# Altium PCB Shuttler_AFE.PcbDoc (part 1 of 5) (continued)
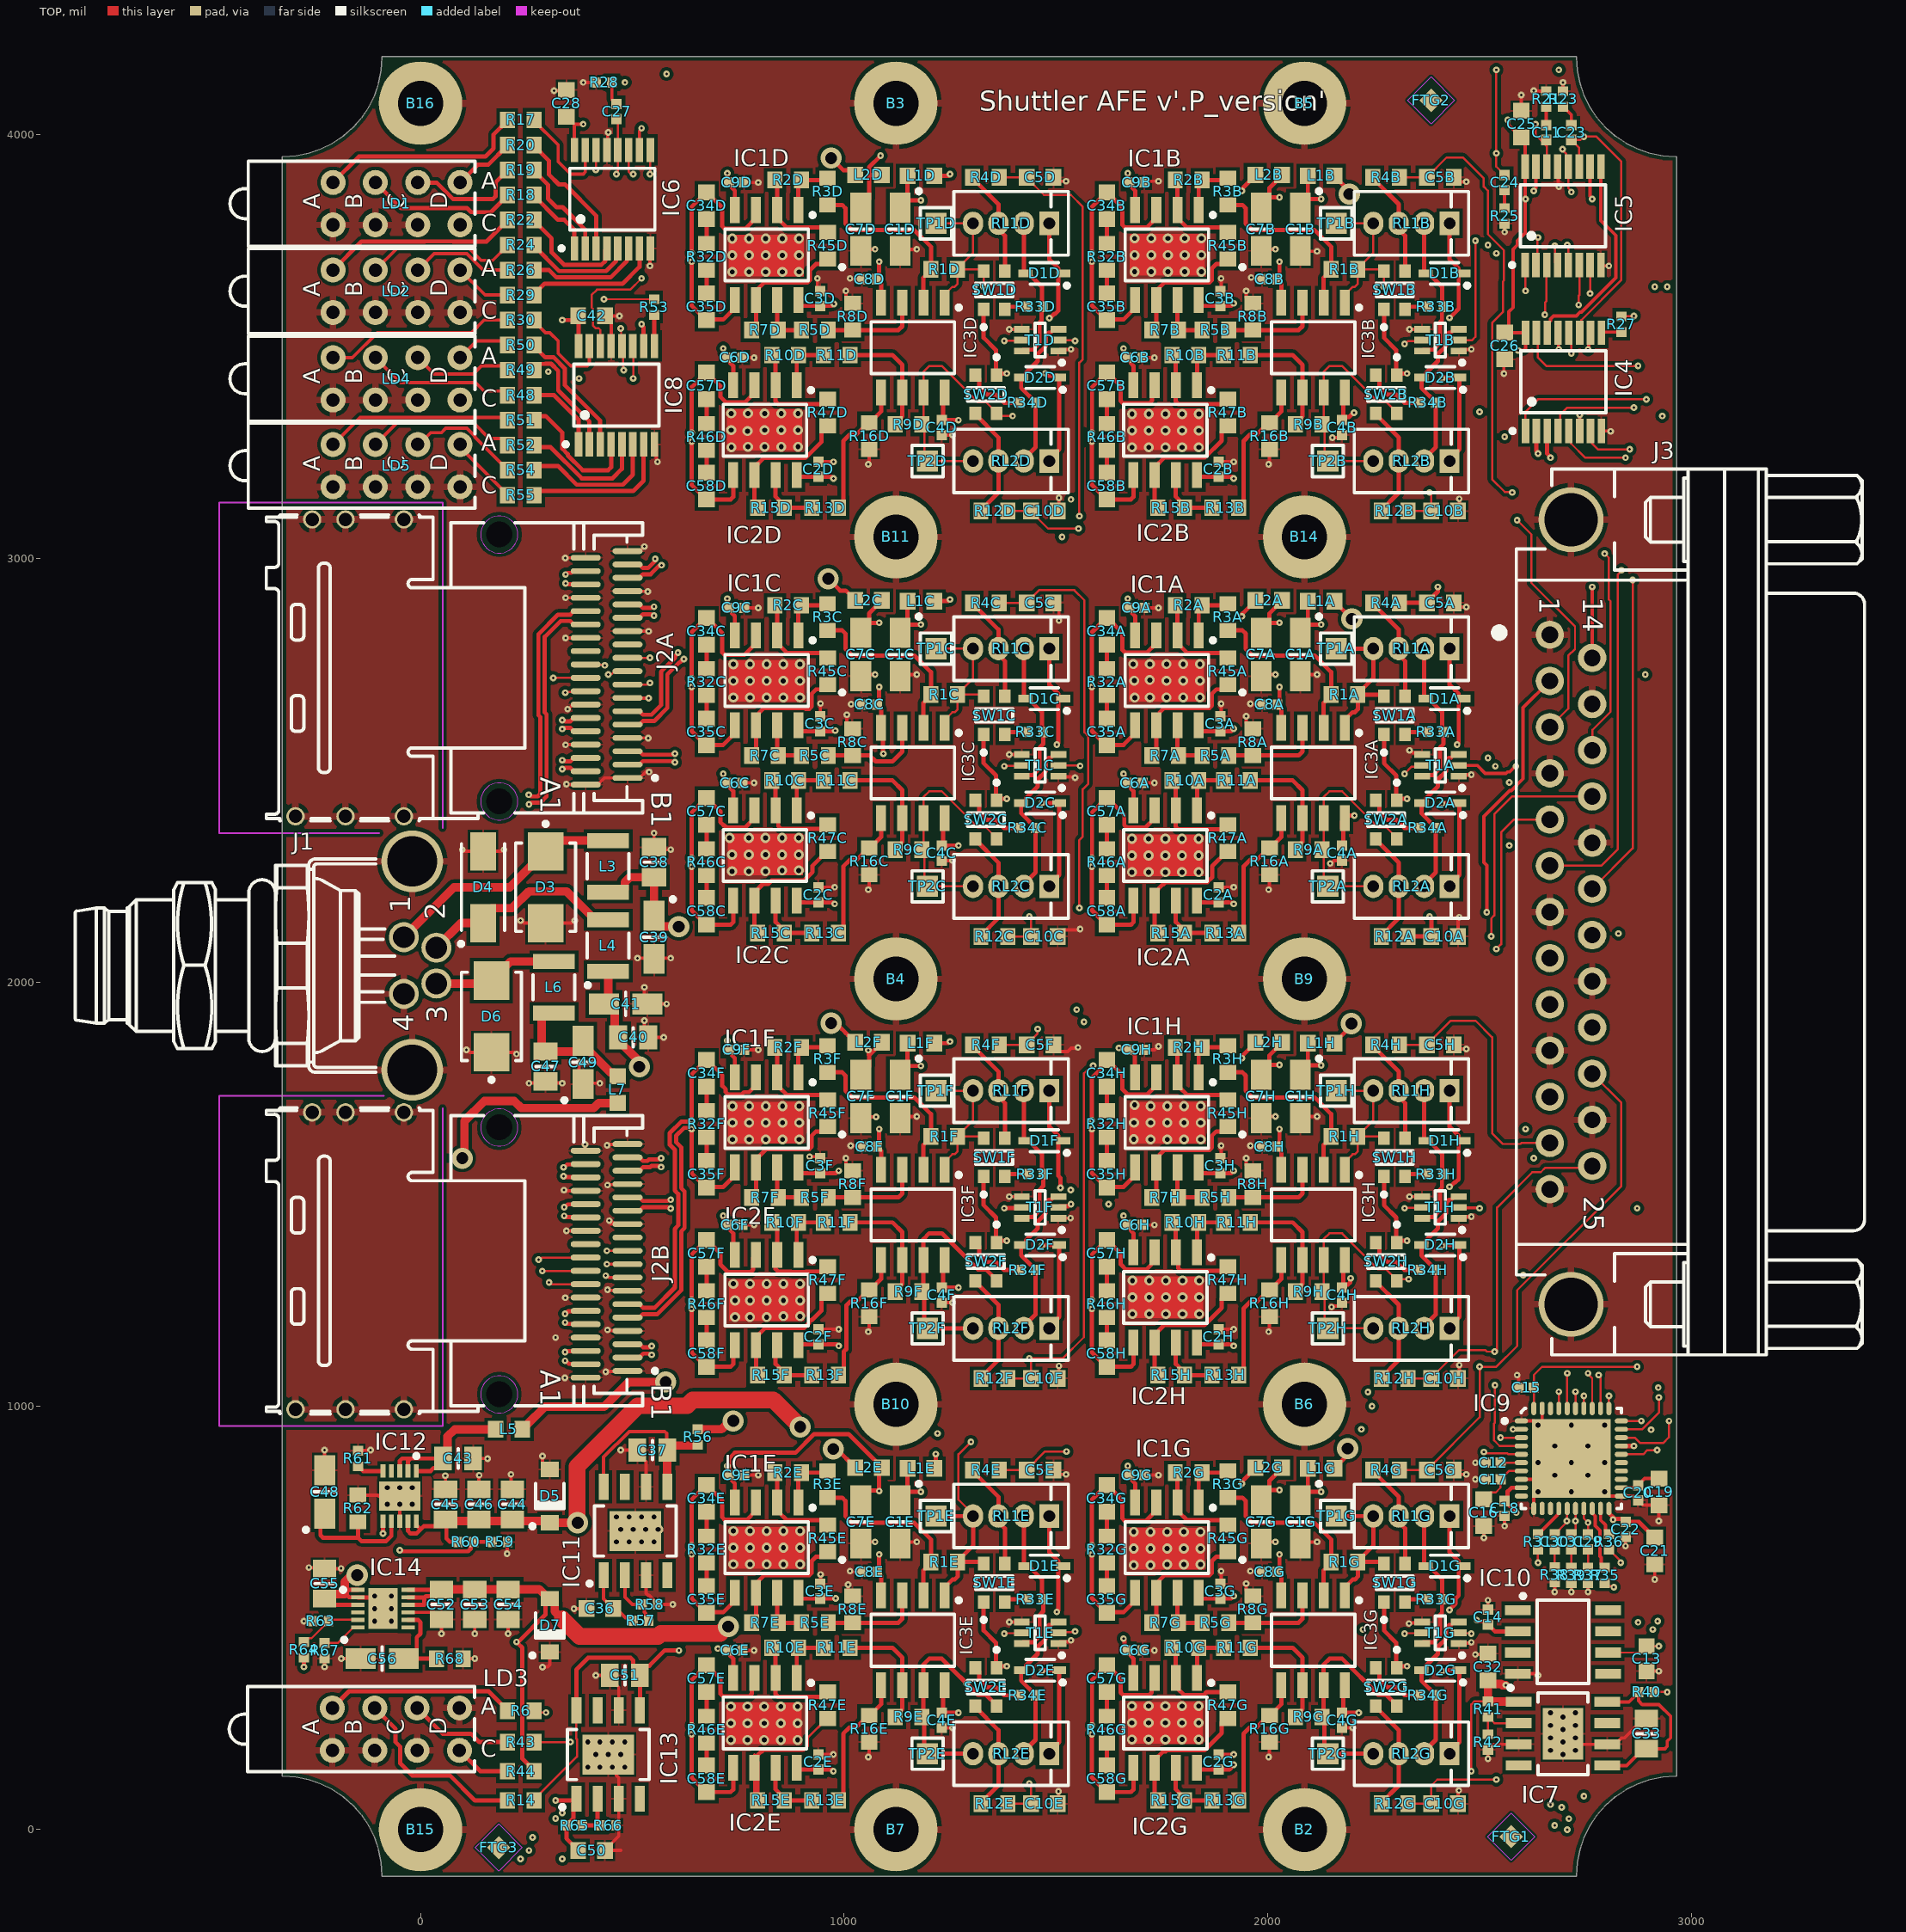
[diagram p0: TOP view]
## Components (designator, comment, footprint, x,y, rotation, side; value= is the part's Value field where it differs from the comment) (continued)
IC2C "LM6172IM/NOPB" SOIC127P600X175-8N 812.99,2299.21 r270 top (schematic designator IC2)
IC2D "LM6172IM/NOPB" SOIC127P600X175-8N 812.99,3303.15 r270 top (schematic designator IC2)
IC2E "LM6172IM/NOPB" SOIC127P600X175-8N 812.99,251.97 r270 top (schematic designator IC2)
IC2F "LM6172IM/NOPB" SOIC127P600X175-8N 816.93,1250 r270 top (schematic designator IC2)
IC2G "LM6172IM/NOPB" SOIC127P600X175-8N 1757.87,251.97 r270 top (schematic designator IC2)
IC2H "LM6172IM/NOPB" SOIC127P600X175-8N 1757.87,1255.91 r270 top (schematic designator IC2)
IC3A "LM6172IM/NOPB" SOIC127P600X175-8N 2106.89,2494.09 r270 top (schematic designator IC3)
IC3B "LM6172IM/NOPB" SOIC127P600X175-8N 2106.89,3498.03 r270 top (schematic designator IC3)
IC3C "LM6172IM/NOPB" SOIC127P600X175-8N 1162.01,2494.09 r270 top (schematic designator IC3)
IC3D "LM6172IM/NOPB" SOIC127P600X175-8N 1162.01,3498.03 r270 top (schematic designator IC3)
IC3E "LM6172IM/NOPB" SOIC127P600X175-8N 1162.01,446.85 r270 top (schematic designator IC3)
IC3F "LM6172IM/NOPB" SOIC127P600X175-8N 1162.01,1450.79 r270 top (schematic designator IC3)
IC3G "LM6172IM/NOPB" SOIC127P600X175-8N 2106.89,446.85 r270 top (schematic designator IC3)
IC3H "LM6172IM/NOPB" SOIC127P600X175-8N 2106.89,1450.79 r270 top (schematic designator IC3)
IC4 "SN74LV595APWT" SOP65P640X120-16N 2697.83,3417.32 r90 top
IC5 "SN74LV595APWT" SOP65P640X120-16N 2696.85,3809.06 r90 top
IC6 "SN74LV595APWT" SOP65P640X120-16N 452.76,3848.43 r90 top
IC7 "ADP7102ARDZ-R7" SOIC127P600X175-9N-R241X309 2696.85,226.38 r0 top
IC8 "SN74LV595APWT" SOP65P640X120-16N 462.6,3385.83 r90 top
IC9 "AD4115BCPZ" QFN50P600X600X100-41N-S470 2716.54,875.98 r0 top
IC10 "ADR4525ARZ" SOIC127P600X175-8N 2696.85,442.91 r0 top
IC11 "ADP7102ARDZ-R7" SOIC127P600X175-9N-R241X309 507.28,704.72 r90 top
IC12 "LT3045EDD#PBF" SON50P300X300X80-11N-R175X248 -49.21,787.4 r270 top
IC13 "ADP7102ARDZ-R7" SOIC127P600X175-9N-R241X309 442.91,177.17 r90 top
IC14 "LT3094EDD#PBF" SON45P300X300X80-13N-R175X248 -88.58,521.65 r0 top
J1 "M8" AMPHENOL_M8AS-04PMMR-SF8001 -19.69,2039.37 r180 top
J2A "iPass™" MOLEX_75783-0107#1 439.17,2742.13 r270 top (schematic designator J2)
J2B "iPass™" MOLEX_75783-0107#2 439.17,1342.52 r270 top (schematic designator J2)
J3 "D-Sub" TYCO_3-1634586-2 2715.75,2165.94 r270 top locked
L1A "120R@100MHz" INDC1608X95N 2125.98,2899.61 r0 top (schematic designator L1)
L1B "120R@100MHz" INDC1608X95N 2125.98,3903.54 r0 top (schematic designator L1)
L1C "120R@100MHz" INDC1608X95N 1181.1,2899.61 r0 top (schematic designator L1)
L1D "120R@100MHz" INDC1608X95N 1181.1,3903.54 r0 top (schematic designator L1)
L1E "120R@100MHz" INDC1608X95N 1181.1,852.36 r0 top (schematic designator L1)
L1F "120R@100MHz" INDC1608X95N 1181.1,1856.3 r0 top (schematic designator L1)
L1G "120R@100MHz" INDC1608X95N 2125.98,852.36 r0 top (schematic designator L1)
L1H "120R@100MHz" INDC1608X95N 2125.98,1856.3 r0 top (schematic designator L1)
L2A "120R@100MHz" INDC1608X95N 2001.97,2901.57 r180 top (schematic designator L2)
L2B "120R@100MHz" INDC1608X95N 2001.97,3905.51 r180 top (schematic designator L2)
L2C "120R@100MHz" INDC1608X95N 1057.09,2901.57 r180 top (schematic designator L2)
L2D "120R@100MHz" INDC1608X95N 1057.09,3905.51 r180 top (schematic designator L2)
L2E "120R@100MHz" INDC1608X95N 1057.09,854.33 r180 top (schematic designator L2)
L2F "120R@100MHz" INDC1608X95N 1057.09,1858.27 r180 top (schematic designator L2)
L2G "120R@100MHz" INDC1608X95N 2001.97,854.33 r180 top (schematic designator L2)
L2H "120R@100MHz" INDC1608X95N 2001.97,1858.27 r180 top (schematic designator L2)
L3 "10uH" IND_MURATA_LQW32FT_0H 442.91,2273.62 r270 top
L4 "10uH" IND_MURATA_LQW32FT_0H 442.91,2086.61 r270 top
L5 "120R@100MHz" INDC1608X95N 208.66,944.88 r180 top
L6 "10uH" IND_MURATA_LQW32FT_0H 314.96,1988.19 r270 top
L7 "120R@100MHz" INDC1608X95N 465.35,1746.43 r270 top
LD1 "Green" LED_BIVAR_H485CGDL -56.69,3837.8 r0 top
LD2 "Green" LED_BIVAR_H485CGDL -56.69,3631.1 r0 top
LD3 "Green" LED_BIVAR_H485CGDL -58.27,237.01 r0 top
LD4 "Green" LED_BIVAR_H485CGDL -56.69,3424.41 r0 top
LD5 "Green" LED_BIVAR_H485CGDL -56.69,3219.29 r0 top
R1A "2k21" RESC1608X55N 2181.1,2679.13 r0 top (schematic designator R1)
R1B "2k21" RESC1608X55N 2181.1,3683.07 r0 top (schematic designator R1)
R1C "2k21" RESC1608X55N 1236.22,2679.13 r0 top (schematic designator R1)
R1D "2k21" RESC1608X55N 1236.22,3683.07 r0 top (schematic designator R1)
R1E "2k21" RESC1608X55N 1236.22,631.89 r0 top (schematic designator R1)
R1F "2k21" RESC1608X55N 1236.22,1635.83 r0 top (schematic designator R1)
R1G "2k21" RESC1608X55N 2181.1,631.89 r0 top (schematic designator R1)
R1H "2k21" RESC1608X55N 2181.1,1635.83 r0 top (schematic designator R1)
R2A "2k21" RESC1608X55N 1812.99,2889.76 r0 top (schematic designator R2)
R2B "2k21" RESC1608X55N 1812.99,3893.7 r0 top (schematic designator R2)
R2C "2k21" RESC1608X55N 868.1,2889.76 r0 top (schematic designator R2)
R2D "2k21" RESC1608X55N 868.1,3893.7 r0 top (schematic designator R2)
R2E "2k21" RESC1608X55N 868.1,842.52 r0 top (schematic designator R2)
R2F "2k21" RESC1608X55N 868.1,1846.46 r0 top (schematic designator R2)
R2G "2k21" RESC1608X55N 1812.99,842.52 r0 top (schematic designator R2)
R2H "2k21" RESC1608X55N 1812.99,1846.46 r0 top (schematic designator R2)
R3A "2k21" RESC1608X55N 1905.51,2862.2 r270 top (schematic designator R3)
R3B "2k21" RESC1608X55N 1905.51,3866.14 r270 top (schematic designator R3)
R3C "2k21" RESC1608X55N 960.63,2862.2 r270 top (schematic designator R3)
R3D "2k21" RESC1608X55N 960.63,3866.14 r270 top (schematic designator R3)
R3E "2k21" RESC1608X55N 960.63,814.96 r270 top (schematic designator R3)
R3F "2k21" RESC1608X55N 960.63,1818.9 r270 top (schematic designator R3)
R3G "2k21" RESC1608X55N 1905.51,814.96 r270 top (schematic designator R3)
R3H "2k21" RESC1608X55N 1905.51,1818.9 r270 top (schematic designator R3)
R4A "47" RESC1608X55N 2279.53,2895.67 r0 top (schematic designator R4)
R4B "47" RESC1608X55N 2279.53,3899.61 r0 top (schematic designator R4)
R4C "47" RESC1608X55N 1334.65,2895.67 r0 top (schematic designator R4)
R4D "47" RESC1608X55N 1334.65,3899.61 r0 top (schematic designator R4)
R4E "47" RESC1608X55N 1334.65,848.43 r0 top (schematic designator R4)
R4F "47" RESC1608X55N 1334.65,1852.36 r0 top (schematic designator R4)
R4G "47" RESC1608X55N 2279.53,848.43 r0 top (schematic designator R4)
R4H "47" RESC1608X55N 2279.53,1852.36 r0 top (schematic designator R4)
R5A "2k21" RESC1608X55N 1875.98,2535.43 r0 top (schematic designator R5)
R5B "2k21" RESC1608X55N 1875.98,3539.37 r0 top (schematic designator R5)
R5C "2k21" RESC1608X55N 931.1,2535.43 r0 top (schematic designator R5)
R5D "2k21" RESC1608X55N 931.1,3539.37 r0 top (schematic designator R5)
R5E "2k21" RESC1608X55N 931.1,488.19 r0 top (schematic designator R5)
R5F "2k21" RESC1608X55N 931.1,1492.13 r0 top (schematic designator R5)
R5G "2k21" RESC1608X55N 1875.98,488.19 r0 top (schematic designator R5)
R5H "2k21" RESC1608X55N 1875.98,1492.13 r0 top (schematic designator R5)
R6 "560" RESC1608X55N 236.22,280.51 r180 top
R7A "2k21" RESC1608X55N 1757.87,2535.43 r0 top (schematic designator R7)
R7B "2k21" RESC1608X55N 1757.87,3539.37 r0 top (schematic designator R7)
R7C "2k21" RESC1608X55N 812.99,2535.43 r0 top (schematic designator R7)
R7D "2k21" RESC1608X55N 812.99,3539.37 r0 top (schematic designator R7)
R7E "2k21" RESC1608X55N 812.99,488.19 r0 top (schematic designator R7)
R7F "2k21" RESC1608X55N 812.99,1492.13 r0 top (schematic designator R7)
R7G "2k21" RESC1608X55N 1757.87,488.19 r0 top (schematic designator R7)
R7H "2k21" RESC1608X55N 1757.87,1492.13 r0 top (schematic designator R7)
R8A "2k21" RESC1608X55N 1964.76,2566.93 r270 top (schematic designator R8)
R8B "2k21" RESC1608X55N 1964.76,3570.87 r270 top (schematic designator R8)
R8C "2k21" RESC1608X55N 1019.87,2566.93 r270 top (schematic designator R8)
R8D "2k21" RESC1608X55N 1019.87,3570.87 r270 top (schematic designator R8)
R8E "2k21" RESC1608X55N 1019.87,519.69 r270 top (schematic designator R8)
R8F "2k21" RESC1608X55N 1019.87,1523.62 r270 top (schematic designator R8)
R8G "2k21" RESC1608X55N 1964.76,519.69 r270 top (schematic designator R8)
R8H "2k21" RESC1608X55N 1964.76,1523.62 r270 top (schematic designator R8)
R9A "2k21" RESC1608X55N 2096.46,2312.99 r0 top (schematic designator R9)
R9B "2k21" RESC1608X55N 2096.46,3316.93 r0 top (schematic designator R9)
R9C "2k21" RESC1608X55N 1151.57,2312.99 r0 top (schematic designator R9)
R9D "2k21" RESC1608X55N 1151.57,3316.93 r0 top (schematic designator R9)
R9E "2k21" RESC1608X55N 1151.57,265.75 r0 top (schematic designator R9)
R9F "2k21" RESC1608X55N 1151.57,1269.69 r0 top (schematic designator R9)
R9G "2k21" RESC1608X55N 2096.46,265.75 r0 top (schematic designator R9)
R9H "2k21" RESC1608X55N 2096.46,1269.69 r0 top (schematic designator R9)
R10A "2k21" RESC1608X55N 1805.11,2476.38 r0 top (schematic designator R10)
R10B "2k21" RESC1608X55N 1805.11,3480.32 r0 top (schematic designator R10)
R10C "2k21" RESC1608X55N 860.23,2476.38 r0 top (schematic designator R10)
R10D "2k21" RESC1608X55N 860.23,3480.32 r0 top (schematic designator R10)
R10E "2k21" RESC1608X55N 860.23,429.13 r0 top (schematic designator R10)
R10F "2k21" RESC1608X55N 860.23,1433.07 r0 top (schematic designator R10)
R10G "2k21" RESC1608X55N 1805.11,429.13 r0 top (schematic designator R10)
R10H "2k21" RESC1608X55N 1805.11,1433.07 r0 top (schematic designator R10)
R11A "2k21" RESC1608X55N 1927.16,2476.38 r0 top (schematic designator R11)
R11B "2k21" RESC1608X55N 1927.16,3480.32 r0 top (schematic designator R11)
R11C "2k21" RESC1608X55N 982.28,2476.38 r0 top (schematic designator R11)
R11D "2k21" RESC1608X55N 982.28,3480.32 r0 top (schematic designator R11)
R11E "2k21" RESC1608X55N 982.28,429.13 r0 top (schematic designator R11)
R11F "2k21" RESC1608X55N 982.28,1433.07 r0 top (schematic designator R11)
R11G "2k21" RESC1608X55N 1927.16,429.13 r0 top (schematic designator R11)
R11H "2k21" RESC1608X55N 1927.16,1433.07 r0 top (schematic designator R11)
R12A "47" RESC1608X55N 2299.21,2108.27 r0 top (schematic designator R12)
R12B "47" RESC1608X55N 2299.21,3112.2 r0 top (schematic designator R12)
R12C "47" RESC1608X55N 1354.33,2108.27 r0 top (schematic designator R12)
R12D "47" RESC1608X55N 1354.33,3112.2 r0 top (schematic designator R12)
R12E "47" RESC1608X55N 1354.33,61.02 r0 top (schematic designator R12)
R12F "47" RESC1608X55N 1354.33,1064.96 r0 top (schematic designator R12)
R12G "47" RESC1608X55N 2299.21,61.02 r0 top (schematic designator R12)
R12H "47" RESC1608X55N 2299.21,1064.96 r0 top (schematic designator R12)
R13A "2k21" RESC1608X55N 1899.61,2116.14 r0 top (schematic designator R13)
R13B "2k21" RESC1608X55N 1899.61,3120.08 r0 top (schematic designator R13)
R13C "2k21" RESC1608X55N 954.72,2116.14 r0 top (schematic designator R13)
R13D "2k21" RESC1608X55N 954.72,3120.08 r0 top (schematic designator R13)
R13E "2k21" RESC1608X55N 954.72,68.9 r0 top (schematic designator R13)
R13F "2k21" RESC1608X55N 954.72,1072.83 r0 top (schematic designator R13)
R13G "2k21" RESC1608X55N 1899.61,68.9 r0 top (schematic designator R13)
R13H "2k21" RESC1608X55N 1899.61,1072.83 r0 top (schematic designator R13)
R14 "1k5" RESC1608X55N 236.22,68.9 r180 top
R15A "2k21" RESC1608X55N 1771.65,2116.14 r0 top (schematic designator R15)
R15B "2k21" RESC1608X55N 1771.65,3120.08 r0 top (schematic designator R15)
R15C "2k21" RESC1608X55N 826.77,2116.14 r0 top (schematic designator R15)
R15D "2k21" RESC1608X55N 826.77,3120.08 r0 top (schematic designator R15)
R15E "2k21" RESC1608X55N 826.77,68.9 r0 top (schematic designator R15)
R15F "2k21" RESC1608X55N 826.77,1072.83 r0 top (schematic designator R15)
R15G "2k21" RESC1608X55N 1771.65,68.9 r0 top (schematic designator R15)
R15H "2k21" RESC1608X55N 1771.65,1072.83 r0 top (schematic designator R15)
R16A "2k21" RESC1608X55N 2003.94,2285.43 r90 top (schematic designator R16)
R16B "2k21" RESC1608X55N 2003.94,3289.37 r90 top (schematic designator R16)
R16C "2k21" RESC1608X55N 1059.06,2285.43 r90 top (schematic designator R16)
R16D "2k21" RESC1608X55N 1059.06,3289.37 r90 top (schematic designator R16)
R16E "2k21" RESC1608X55N 1059.06,238.19 r90 top (schematic designator R16)
R16F "2k21" RESC1608X55N 1059.06,1242.13 r90 top (schematic designator R16)
R16G "2k21" RESC1608X55N 2003.94,238.19 r90 top (schematic designator R16)
R16H "2k21" RESC1608X55N 2003.94,1242.13 r90 top (schematic designator R16)
R17 "560" RESC1608X55N 236.22,4035.43 r180 top
R18 "560" RESC1608X55N 236.22,3858.27 r180 top
R19 "560" RESC1608X55N 236.22,3917.32 r180 top
R20 "560" RESC1608X55N 236.22,3976.38 r180 top
R21 "49R9" RESC1005X40N 2657.48,4084.65 r270 top
R22 "560" RESC1608X55N 236.22,3799.21 r180 top
R23 "49R9" RESC1005X40N 2696.85,4084.65 r270 top
R24 "560" RESC1608X55N 236.22,3740.16 r180 top
R25 "49R9" RESC1005X40N 2559.06,3809.06 r90 top
R26 "560" RESC1608X55N 236.22,3681.1 r180 top
R27 "49R9" RESC1005X40N 2834.65,3553.15 r270 top
R28 "49R9" RESC1005X40N 433.07,4124.02 r0 top
R29 "560" RESC1608X55N 236.22,3622.05 r180 top
R30 "560" RESC1608X55N 236.22,3562.99 r180 top
R31 "49R9" RESC1005X40N 2637.8,679.13 r270 top
R32A "100" RESC1608X55N 1620.08,2708.66 r90 top (schematic designator R32)
R32B "100" RESC1608X55N 1620.08,3712.6 r90 top (schematic designator R32)
R32C "100" RESC1608X55N 675.2,2708.66 r90 top (schematic designator R32)
R32D "100" RESC1608X55N 675.2,3712.6 r90 top (schematic designator R32)
R32E "100" RESC1608X55N 675.2,661.42 r90 top (schematic designator R32)
R32F "100" RESC1608X55N 675.2,1665.35 r90 top (schematic designator R32)
R32G "100" RESC1608X55N 1620.08,661.42 r90 top (schematic designator R32)
R32H "100" RESC1608X55N 1620.08,1665.35 r90 top (schematic designator R32)
R33A "3k3" RESC1005X40N 2396.46,2590.55 r180 top (schematic designator R33)
R33B "3k3" RESC1005X40N 2396.46,3594.49 r180 top (schematic designator R33)
R33C "3k3" RESC1005X40N 1451.57,2590.55 r180 top (schematic designator R33)
R33D "3k3" RESC1005X40N 1451.57,3594.49 r180 top (schematic designator R33)
R33E "3k3" RESC1005X40N 1451.57,543.31 r180 top (schematic designator R33)
R33F "3k3" RESC1005X40N 1451.57,1547.24 r180 top (schematic designator R33)
R33G "3k3" RESC1005X40N 2396.46,543.31 r180 top (schematic designator R33)
R33H "3k3" RESC1005X40N 2396.46,1547.24 r180 top (schematic designator R33)
R34A "3k3" RESC1005X40N 2377.95,2364.17 r180 top (schematic designator R34)
R34B "3k3" RESC1005X40N 2377.95,3368.11 r180 top (schematic designator R34)
R34C "3k3" RESC1005X40N 1433.07,2364.17 r180 top (schematic designator R34)
R34D "3k3" RESC1005X40N 1433.07,3368.11 r180 top (schematic designator R34)
R34E "3k3" RESC1005X40N 1433.07,316.93 r180 top (schematic designator R34)
R34F "3k3" RESC1005X40N 1433.07,1320.87 r180 top (schematic designator R34)
R34G "3k3" RESC1005X40N 2377.95,316.93 r180 top (schematic designator R34)
R34H "3k3" RESC1005X40N 2377.95,1320.87 r180 top (schematic designator R34)
R35 "49R9" RESC1005X40N 2795.28,600.39 r270 top
R36 "49R9" RESC1005X40N 2805.12,679.13 r270 top
R37 "49R9" RESC1005X40N 2755.91,600.39 r90 top
R38 "49R9" RESC1005X40N 2677.17,601.57 r90 top
R39 "49R9" RESC1005X40N 2716.54,600.39 r90 top
R40 "33" RESC1005X40N 2893.7,324.8 r180 top
R41 "51k" RESC1005X40N 2519.69,284.25 r90 top
R42 "30k" RESC1005X40N 2519.69,206.69 r90 top
R43 "5k1" RESC1608X55N 236.22,206.69 r180 top
R44 "5k1" RESC1608X55N 236.22,137.8 r180 top
R45A "4k42" RESC1608X55N 1905.7,2734.25 r90 top (schematic designator R45)
R45B "4k42" RESC1608X55N 1905.7,3738.19 r90 top (schematic designator R45)
R45C "4k42" RESC1608X55N 960.82,2734.25 r90 top (schematic designator R45)
R45D "4k42" RESC1608X55N 960.82,3738.19 r90 top (schematic designator R45)
R45E "4k42" RESC1608X55N 960.82,687.01 r90 top (schematic designator R45)
R45F "4k42" RESC1608X55N 960.82,1690.94 r90 top (schematic designator R45)
R45G "4k42" RESC1608X55N 1905.7,687.01 r90 top (schematic designator R45)
R45H "4k42" RESC1608X55N 1905.7,1690.94 r90 top (schematic designator R45)
R46A "100" RESC1608X55N 1620.08,2283.46 r90 top (schematic designator R46)
R46B "100" RESC1608X55N 1620.08,3287.4 r90 top (schematic designator R46)
R46C "100" RESC1608X55N 675.2,2283.46 r90 top (schematic designator R46)
R46D "100" RESC1608X55N 675.2,3287.4 r90 top (schematic designator R46)
R46E "100" RESC1608X55N 675.2,236.22 r90 top (schematic designator R46)
R46F "100" RESC1608X55N 675.2,1240.16 r90 top (schematic designator R46)
R46G "100" RESC1608X55N 1620.08,236.22 r90 top (schematic designator R46)
R46H "100" RESC1608X55N 1620.08,1240.16 r90 top (schematic designator R46)
R47A "4k42" RESC1608X55N 1905.7,2340.55 r90 top (schematic designator R47)
R47B "4k42" RESC1608X55N 1905.7,3344.49 r90 top (schematic designator R47)
R47C "4k42" RESC1608X55N 960.82,2340.55 r90 top (schematic designator R47)
R47D "4k42" RESC1608X55N 960.82,3344.49 r90 top (schematic designator R47)
R47E "4k42" RESC1608X55N 960.82,293.31 r90 top (schematic designator R47)
R47F "4k42" RESC1608X55N 960.82,1297.24 r90 top (schematic designator R47)
R47G "4k42" RESC1608X55N 1905.7,293.31 r90 top (schematic designator R47)
R47H "4k42" RESC1608X55N 1905.7,1297.24 r90 top (schematic designator R47)
R48 "560" RESC1608X55N 236.22,3385.83 r180 top
R49 "560" RESC1608X55N 236.22,3444.88 r180 top
R50 "560" RESC1608X55N 236.22,3503.94 r180 top
R51 "560" RESC1608X55N 236.22,3326.77 r180 top
R52 "560" RESC1608X55N 236.22,3267.72 r180 top
R53 "49R9" RESC1005X40N 551.18,3593.7 r270 top
R54 "560" RESC1608X55N 236.22,3208.66 r180 top
R55 "560" RESC1608X55N 236.22,3149.61 r180 top
R56 "33" RESC1005X40N 654.35,926.43 r270 top
R57 "62k" RESC1005X40N 520.14,493.25 r180 top
R58 "20k" RESC1005X40N 541.34,531.5 r180 top
R59 "1k3" RESC1005X40N 187.01,679.13 r180 top
R60 "51k" RESC1005X40N 107.09,679.13 r180 top
R61 "330" RESC1005X40N -147.64,875.98 r270 top
R62 "130k" RESC1608X55N -147.64,757.87 r270 top
R63 "1k3" RESC1005X40N -236.22,492.13 r0 top
R64 "51k" RESC1005X40N -275.59,424.41 r90 top
R65 "51k" RESC1005X40N 362.99,9.84 r180 top
R66 "30k" RESC1005X40N 442.91,9.84 r180 top
R67 "10k" RESC1005X40N -226.38,422.05 r90 top
R68 "130k" RESC1608X55N 68.9,403.54 r180 top
RL1A "REL_PICKERING_116-1-A-5/2" REL_PICKERING_116-1-A 2339.06,2787.4 r180 top value=5VDC (schematic designator RL1)
RL1B "REL_PICKERING_116-1-A-5/2" REL_PICKERING_116-1-A 2339.06,3791.34 r180 top value=5VDC (schematic designator RL1)
RL1C "REL_PICKERING_116-1-A-5/2" REL_PICKERING_116-1-A 1394.17,2787.4 r180 top value=5VDC (schematic designator RL1)
RL1D "REL_PICKERING_116-1-A-5/2" REL_PICKERING_116-1-A 1394.17,3791.34 r180 top value=5VDC (schematic designator RL1)
RL1E "REL_PICKERING_116-1-A-5/2" REL_PICKERING_116-1-A 1394.17,740.16 r180 top value=5VDC (schematic designator RL1)
RL1F "REL_PICKERING_116-1-A-5/2" REL_PICKERING_116-1-A 1394.17,1744.09 r180 top value=5VDC (schematic designator RL1)
RL1G "REL_PICKERING_116-1-A-5/2" REL_PICKERING_116-1-A 2339.06,740.16 r180 top value=5VDC (schematic designator RL1)
RL1H "REL_PICKERING_116-1-A-5/2" REL_PICKERING_116-1-A 2339.06,1744.09 r180 top value=5VDC (schematic designator RL1)
RL2A "REL_PICKERING_116-1-A-5/2" REL_PICKERING_116-1-A 2339.06,2226.38 r180 top value=5VDC (schematic designator RL2)
RL2B "REL_PICKERING_116-1-A-5/2" REL_PICKERING_116-1-A 2339.06,3230.31 r180 top value=5VDC (schematic designator RL2)
RL2C "REL_PICKERING_116-1-A-5/2" REL_PICKERING_116-1-A 1394.17,2226.38 r180 top value=5VDC (schematic designator RL2)
RL2D "REL_PICKERING_116-1-A-5/2" REL_PICKERING_116-1-A 1394.17,3230.31 r180 top value=5VDC (schematic designator RL2)
RL2E "REL_PICKERING_116-1-A-5/2" REL_PICKERING_116-1-A 1394.17,179.13 r180 top value=5VDC (schematic designator RL2)
RL2F "REL_PICKERING_116-1-A-5/2" REL_PICKERING_116-1-A 1394.17,1183.07 r180 top value=5VDC (schematic designator RL2)
RL2G "REL_PICKERING_116-1-A-5/2" REL_PICKERING_116-1-A 2339.06,179.13 r180 top value=5VDC (schematic designator RL2)
RL2H "REL_PICKERING_116-1-A-5/2" REL_PICKERING_116-1-A 2339.06,1183.07 r180 top value=5VDC (schematic designator RL2)
SW1A "AQY221N3M" PANASONIC_AQY22(SON) 2299.21,2629.92 r90 top (schematic designator SW1)
SW1B "AQY221N3M" PANASONIC_AQY22(SON) 2299.21,3633.86 r90 top (schematic designator SW1)
SW1C "AQY221N3M" PANASONIC_AQY22(SON) 1354.33,2629.92 r90 top (schematic designator SW1)
SW1D "AQY221N3M" PANASONIC_AQY22(SON) 1354.33,3633.86 r90 top (schematic designator SW1)
SW1E "AQY221N3M" PANASONIC_AQY22(SON) 1354.33,582.68 r90 top (schematic designator SW1)